# Altium PCB VESC_KS75600.PcbDoc (part 3 of 3)
Units mm, origin at the board's own origin, x right, y up, seen from the top; angles counter-clockwise.
Board outline 174 x 106 mm, 4 copper layers (TL, S1, S2, BL), stack 1.58 mm thick; 300 components, 160 nets, 892 pads, 642 vias.
Unrouted connection lines stored in the file: 213.
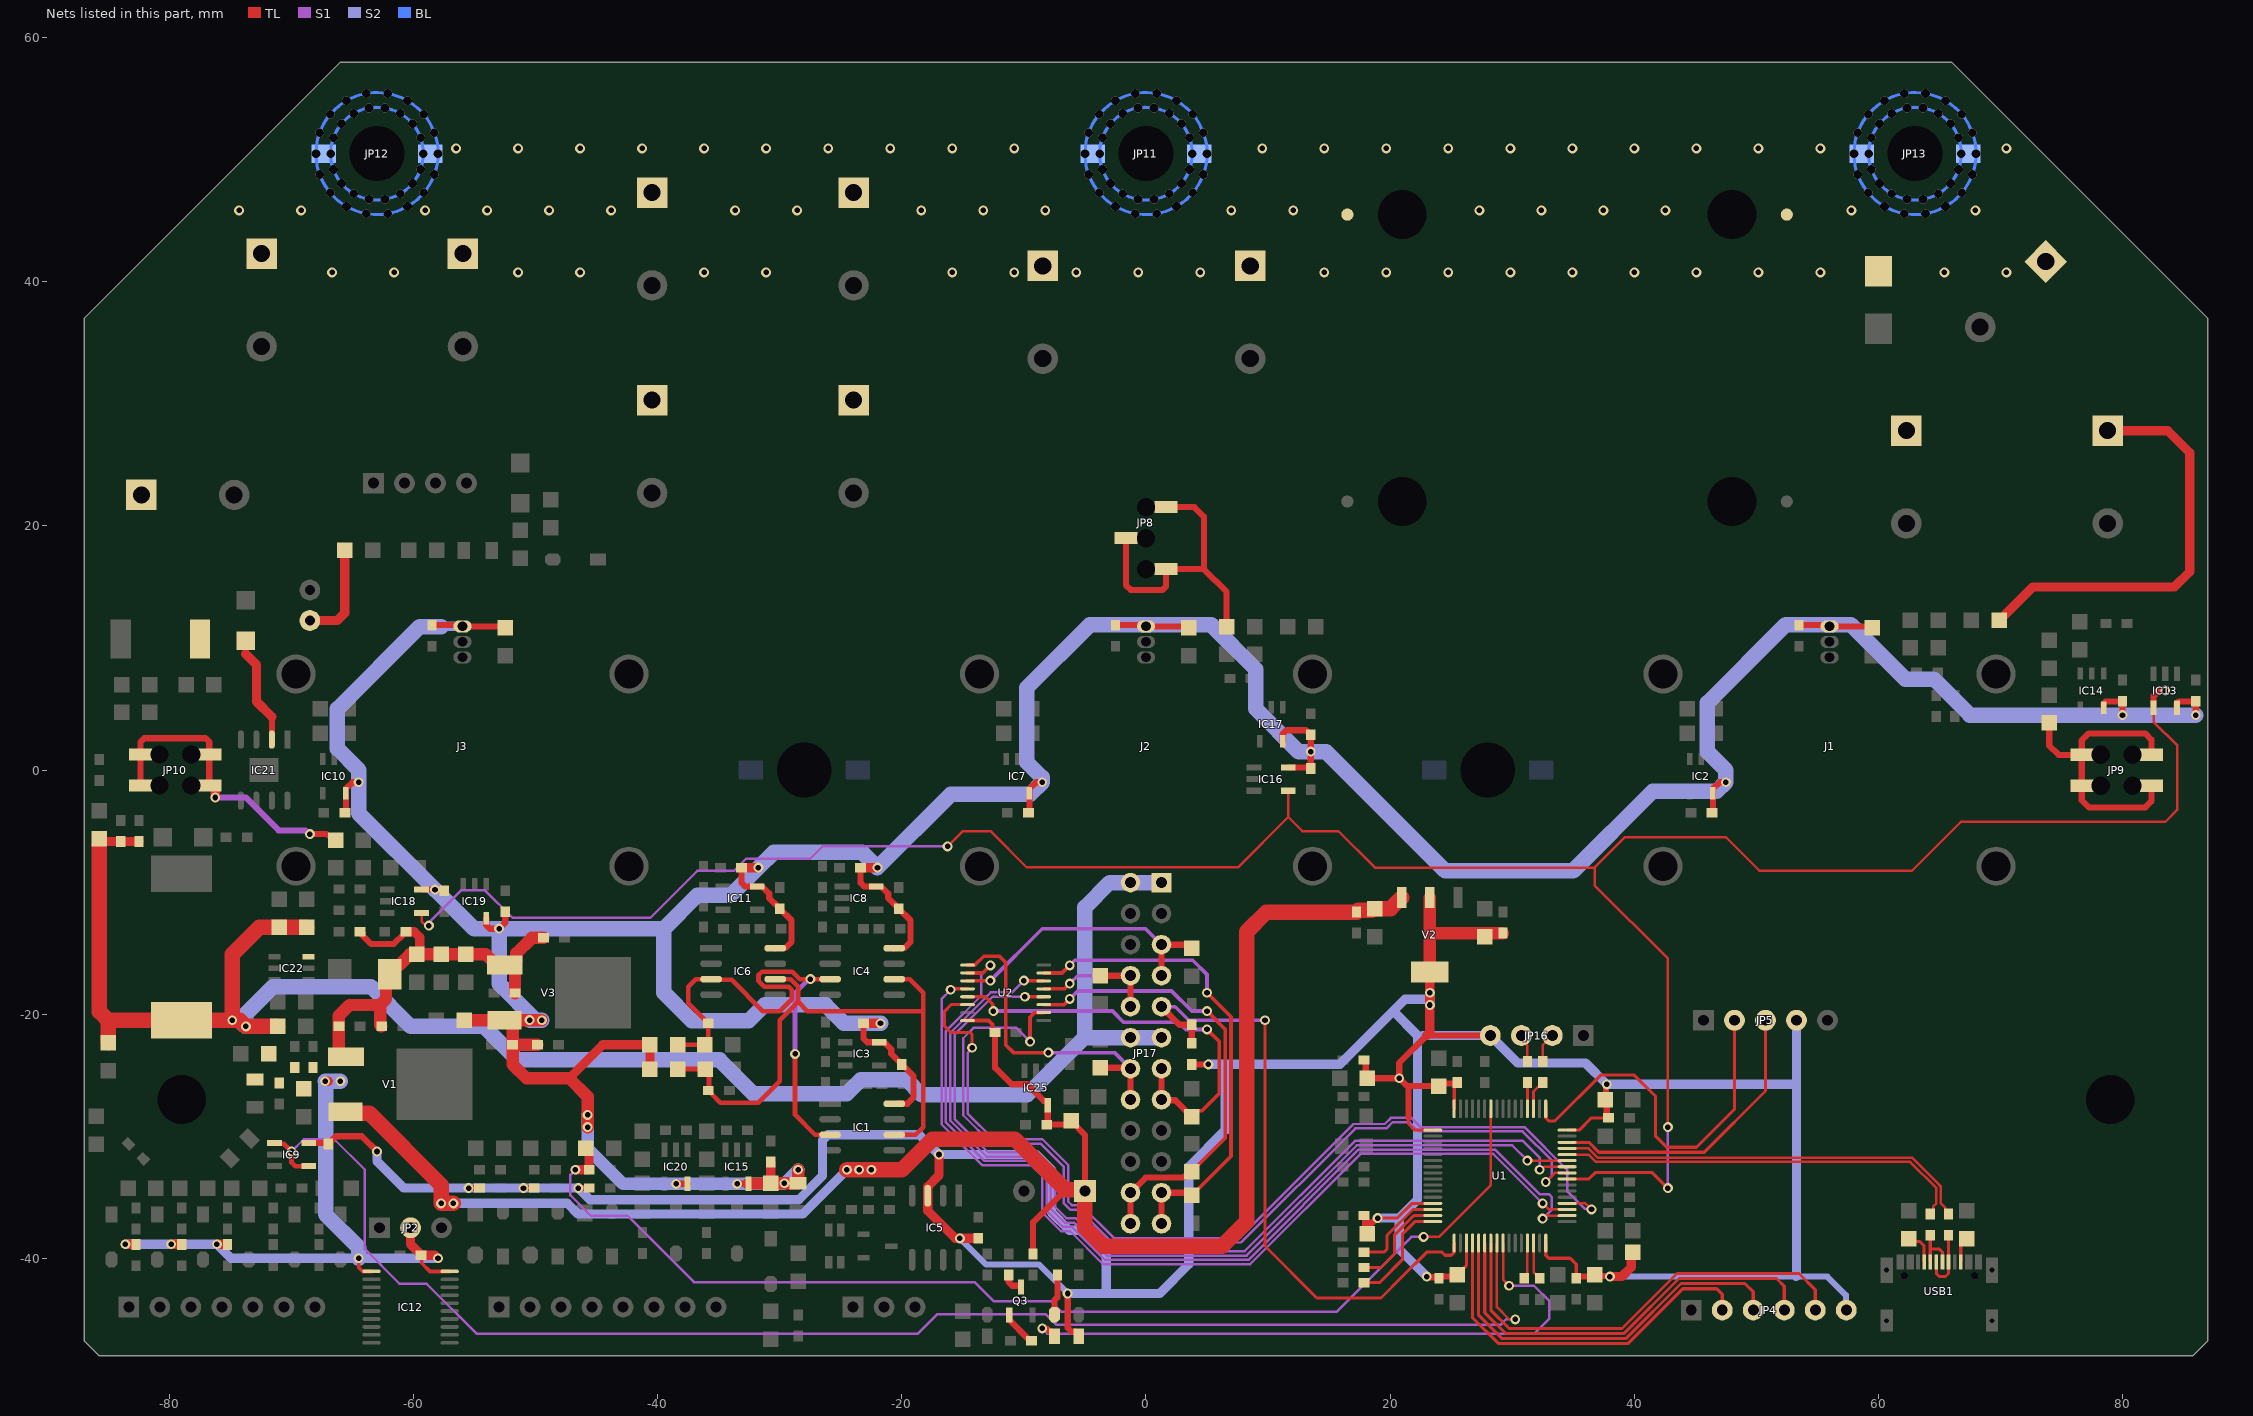
[diagram p5: the nets of this part, all layers, seen from the top]

## Via types
v1: diameter 0.813, hole 0.457, TL to BL, tented both sides, 462 vias
v2: diameter 0.711, hole 0.711, TL to BL, tented both sides, 180 vias

## Nets (pads, with @x,y where several pads share a name; then routed paths per layer and width w, separated by ;. In a path a pad name is that pad's centre, name@x,y a point inside that pad or via, vN(x,y) a via of type N, cw(c..) or ccw(c..) an arc to the next point about the centre after c; other vN are vias at no path point) (continued)
NetLED4_1: LED4.1 U1.25 | length 52.6
  TL w0.203: U1.25@29.25,-38.75 29.25,-41.75 v1(29.75,-42.25)
  TL w0.508: v1(-8.5,-45.75) -8.145,-45.75 -7.888,-46.008 -7.697,-46.008 -7.507,-46.198 LED4.1@-7.507,-46.389
  S1 w0.203: v1(-8.5,-45.75) -8.074,-46.176 31.824,-46.176 33.05,-44.95 33.05,-43.516 31.785,-42.25 v1(29.75,-42.25)
NetLED4_2: LED4.2 R99.2 | length 3.4
  TL w0.508: LED4.2@-7.507,-44.611 -7.507,-43.442 -7.25,-43.186 R99.2@-7.25,-41.364
NetQ3_1: Q3.1 R113.2 | length 2.9
  TL w0.508: Q3.1@-11.2,-44.643 -11.2,-45.05 -9.627,-46.623 -9.513,-46.623 R113.2@-9.386,-46.75
NetQ3_3: Q3.3 R112.1 | length 1.8
  TL w0.508: R112.1@-11.25,-41.364 -11.249,-41.953 -10.952,-42.251 -10.254,-42.251 -10.25,-42.255 Q3.3@-10.25,-42.357
NetR89_2: R89.2 USB1.A6 USB1.B6 | length 5.3
  TL w0.254: USB1.A6@64.75,-40.31 64.75,-41.25 65,-41.5 65.5,-41.5 65.75,-41.25 USB1.B6@65.75,-40.31 R89.2@65.75,-38.114
NetR90_2: R90.2 USB1.A7 USB1.B7 | length 4.1
  TL w0.254: USB1.B7@64.25,-40.31 64.25,-39.212 ; R90.2@64.25,-38.114 64.25,-39.212 ; USB1.A7@65.25,-40.31 65.25,-39.5 65,-39.25 64.288,-39.25 64.25,-39.212
NetR91_2: R91.2 USB1.A5 | length 2.8
  TL w0.254: R91.2@62.5,-38.393 62.724,-38.617 63.367,-38.617 63.75,-39 USB1.A5@63.75,-40.31
NetR92_2: R92.2 USB1.B5 | length 2.5
  TL w0.254: USB1.B5@66.75,-40.31 66.75,-38.893 R92.2@67.25,-38.393 ; R92.2@67,-38.364 R92.2@67.25,-38.114
NetR100_2: R100.2 U1.51 | length 2.5
  TL w0.254: U1.51@31.75,-27.751 31.75,-26.334 32.153,-25.931 32.246,-25.931 32.5,-25.677 R100.2@32.5,-25.614
NetR101_2: R101.2 U1.52 | length 2.1
  TL w0.254: U1.52@31.25,-27.751 R101.2@31.25,-25.614
NTC_DRV: C113.2 JP17.9 R104.2 U1.17 | length 51.8
  TL w0.254: v1(9.75,-20.5) 9.75,-39 14,-43.25 19.25,-43.25 21,-41.5 23,-39.5 24.25,-39.5 24.5,-39.75 25,-39.75 25.25,-39.5 U1.17@25.25,-38.75
  TL w0.508: JP17.9@1.27,-19.39 2.743,-20.864 C113.2@3.75,-20.864 R104.2@3.75,-22.386
  S1 w0.254: JP17.9@1.27,-19.39 2.39,-19.39 3.5,-20.5 v1(9.75,-20.5)
NTC_MOTOR_S: IC9.1 IC9.4 U1.24 | length 123.6
  TL w0.203: U1.24@28.75,-38.75 28.75,-44 29.75,-45 v1(30.25,-45)
  TL w0.381: IC9.1@-71.4,-30.55 -71.34,-30.609 -70.641,-30.609 v1(-70,-31.25) -70,-32.156 -69.706,-32.45 IC9.4@-68.6,-32.45
  S1 w0.203: v1(-70,-31.25) -69,-30.25 -66.5,-30.25 -64,-32.75 -64,-39.25 -61.16,-42.09 -58.932,-42.09 -54.846,-46.176 -18.688,-46.176 -17.089,-44.578 -8.236,-44.578 -7.348,-45.465 29.035,-45.465 29.5,-45 v1(30.25,-45)
OCP_H: C31.2 IC1.3 IC4.3 IC6.3 R14.1 R16.2 | length 43.8
  TL w0.381: R14.1@-38.357,-22.5 R16.2@-36.143,-22.5 -35.864,-22.221 C31.2@-35.864,-20.75 -35.927,-20.75 -36.118,-20.559 -36.118,-20.496 -37.5,-19.113 -37.5,-17.75 -36.885,-17.135 IC6.3@-35.625,-17.135 -35.593,-17.167 -34.848,-17.167 -34.825,-17.19 -33.943,-17.19 -31.384,-19.75 -30.004,-19.75 -29.033,-18.779 -29.033,-18 -29.28,-17.753 -31.274,-17.753 -31.75,-17.277 -31.75,-16.808 -31.459,-16.517 -28.979,-16.517 -28.361,-17.135 v1(-27.5,-17.135) IC4.3@-25.875,-17.135 ; v1(-28.75,-23.25) -28.75,-28.25 -27.115,-29.885 IC1.3@-25.875,-29.885
  S1 w0.381: v1(-28.75,-23.25) -28.75,-18.25 -27.851,-17.351 -27.833,-17.351 -27.617,-17.135 v1(-27.5,-17.135)
OCP_L: C40.2 IC1.6 IC4.6 IC6.6 R28.1 R29.2 | length 48.7
  TL w0.381: R28.1@-38.357,-24.5 R29.2@-36.118,-24.5 -35.8,-24.818 -35.8,-26.187 C40.2@-35.864,-26.25 -35.8,-26.25 -35.61,-26.44 -35.61,-26.504 -34.863,-27.25 -31.75,-27.25 -30,-25.5 -30,-20.5 -28.5,-19 ; IC6.6@-30.375,-17.135 -29.115,-17.135 -28.5,-17.75 -28.5,-19 ; IC1.6@-20.625,-29.885 -18.885,-29.885 -18.25,-29.25 -18.25,-19.75 ; IC4.6@-20.625,-17.135 -19.365,-17.135 -18.25,-18.25 -18.25,-19.75 ; -28.5,-19 -27.75,-19.75 -18.25,-19.75
P_UART_RX_S: JP16.3 R101.1 | length 2.3
  TL w0.203: JP16.3@30.75,-21.75 30.75,-22.117 31.25,-22.617 R101.1@31.25,-23.886
P_UART_TX_S: JP16.2 R100.1 | length 2.5
  TL w0.203: R100.1@32.5,-23.886 32.5,-22.54 JP16.2@33.29,-21.75
PHA_FILTER_SEL: IC13.4 IC16.4 IC18.4 U1.40 | length 209.9
  TL w0.203: IC18.4@-59.35,-11.7 -59.35,-12.4 -59,-12.75 v1(-58.75,-12.75) ; v1(-16.25,-6.25) -15,-5 -12.75,-5 -9.772,-7.978 7.522,-7.978 11.65,-3.85 ; IC16.4@11.65,-1.7 11.65,-3.85 ; v1(42.75,-29.25) 42.75,-15.456 36.75,-9.456 36.75,-8 ; IC13.4@82.55,5.1 82.55,3.95 84.5,2 84.5,-3.25 83.5,-4.25 66.75,-4.25 62.75,-8.25 50.25,-8.25 47.5,-5.5 39.25,-5.5 36.75,-8 ; 11.65,-3.85 12.8,-5 15.75,-5 18.75,-8 36.75,-8
  TL w0.254: U1.40@34.5,-33.5 36.283,-33.5 36.8,-32.984 41.484,-32.984 v1(42.75,-34.25)
  TL w0.508: IC13.4@82.55,5.1 82.55,6.05 83,6.5 v1(83.5,6.5)
  S1 w0.203: v1(-58.75,-12.75) -58.633,-12.633 -58.633,-12.383 -56.106,-9.856 -54.147,-9.856 -51.897,-12.106 -40.606,-12.106 -36.75,-8.25 -33.75,-8.25 -32.75,-7.25 -27.5,-7.25 -26.5,-6.25 v1(-16.25,-6.25) ; v1(42.75,-34.25) v1(42.75,-29.25)
PHASE_U: JP9.1 JP9.2 JP9.3 JP9.4 R34.2 | length 24.6
  TL w0.508: R34.2@74,3.857 74,2 74.76,1.24 JP9.2@76.67,1.24 ; JP9.3@82.37,-1.3 82.37,-2.556 81.866,-3.06 77.25,-3.06 76.67,-2.48 JP9.4@76.67,-1.3 JP9.2@76.67,1.24 ; JP9.1@82.37,1.24 82.37,2.496 81.866,3 77.25,3 76.67,2.42 JP9.2@76.67,1.24
PHASE_V: JP8.2 JP8.3 JP8.4 pad.16 R49.2 | length 25.1
  TL w0.508: JP8.3@-1.65,19 -1.65,15.15 -1.25,14.75 1.352,14.75 1.65,15.048 JP8.4@1.65,16.46 4.75,16.46 ; JP8.2@1.65,21.54 3.96,21.54 4.75,20.75 4.75,16.46 ; R49.2@6.607,11.75 6.607,14.603 4.75,16.46
PHASE_W: JP10.1 JP10.2 JP10.3 JP10.4 R57.2 | length 25.6
  TL w0.508: JP10.4@-82.37,-1.27 JP10.2@-82.37,1.27 -82.37,2.302 -82.073,2.6 -77.048,2.6 -76.75,2.302 -76.75,-1.19 JP10.3@-76.67,-1.27 ; v1(-68.5,-5.25) -67.155,-5.25 -66.802,-5.482 -66.774,-5.482 R57.2@-66.393,-5.75
  TL w0.762: JP10.3@-76.67,-1.27 -76.379,-1.27 -76.25,-1.399 v1(-76.25,-2.25)
  S1 w0.508: v1(-76.25,-2.25) -73.75,-2.25 -71.053,-4.947 -68.885,-4.947 -68.582,-5.25 v1(-68.5,-5.25)
PWM_HU: JP17.22 JP17.24 R110.1 U2.3 | length 37.7
  TL w0.305: U2.3@-8.375,-19.225 -6.725,-19.225 v1(-6.25,-18.75) ; R110.1@3.75,-32.893 6.5,-30.143 6.5,-21.25 v1(5,-19.75)
  TL w0.508: JP17.24@-1.27,-37.17 JP17.22@-1.27,-34.63 -0.029,-33.389 3.071,-33.389 3.186,-33.274 3.369,-33.274 R110.1@3.75,-32.893
  S1 w0.305: v1(-6.25,-18.75) -5.598,-18.098 2.098,-18.098 3.75,-19.75 v1(5,-19.75)
PWM_HV: JP17.8 JP17.10 R109.1 U2.5 | length 12.6
  TL w0.305: U2.5@-8.375,-17.925 -6.683,-17.925 -6.258,-17.5 v1(-6.25,-17.5)
  TL w0.508: R109.1@-3.75,-16.857 -1.277,-16.857 JP17.8@-1.27,-16.85 JP17.10@-1.27,-19.39
  S1 w0.305: v1(-6.25,-17.5) -5.6,-16.85 JP17.8@-1.27,-16.85
PWM_HW: JP17.21 JP17.23 R108.1 U2.7 | length 39.6
  TL w0.305: U2.7@-8.375,-16.625 -6.875,-16.625 v1(-6.25,-16) ; R108.1@3.75,-34.857 6.957,-31.65 6.957,-20.207 v1(5,-18.25)
  TL w0.508: JP17.23@1.27,-37.17 JP17.21@1.27,-34.63 R108.1@3.835,-34.63
  S1 w0.305: v1(-6.25,-16) -5.83,-15.58 3.83,-15.58 5,-16.75 v1(5,-18.25)
PWM_LU: JP17.14 JP17.16 R107.1 U2.9 | length 26.5
  TL w0.305: U2.9@-14.625,-15.975 -14.025,-15.975 -13.3,-15.25 -12,-15.25 -11.5,-15.75 -11.5,-22.506 -10.854,-23.152 v1(-8,-23.152)
  TL w0.508: R107.1@-3.75,-24.393 -1.347,-24.393 JP17.14@-1.27,-24.47 JP17.16@-1.27,-27.01
  S1 w0.305: v1(-8,-23.152) -2.589,-23.152 JP17.14@-1.27,-24.47
PWM_LV: JP17.5 JP17.7 R106.1 U2.11 | length 23.4
  TL w0.305: U2.11@-14.625,-17.275 -12.775,-17.275 v1(-12.75,-17.25)
  TL w0.508: JP17.7@1.27,-16.85 JP17.5@1.27,-14.31 3.453,-14.31 R106.1@3.75,-14.607
  S1 w0.305: v1(-12.75,-17.25) -8.5,-13 -0.04,-13 JP17.5@1.27,-14.31
PWM_LW: JP17.13 JP17.15 R105.1 U2.13 | length 35.6
  TL w0.305: U2.13@-14.625,-18.575 -13.175,-18.575 -12.556,-19.194 -12.556,-19.694 v1(-12.5,-19.75) ; R105.1@3.75,-28.393 4.225,-27.918 4.582,-27.918 6,-26.5 6,-22.25 v1(5,-21.25)
  TL w0.508: JP17.13@1.565,-24.47 JP17.13@1.27,-24.47 JP17.15@1.27,-27.01 1.318,-27.058 2.415,-27.058 R105.1@3.75,-28.393
  S1 w0.305: v1(-12.5,-19.75) -2.75,-19.75 -1.841,-20.659 2.659,-20.659 3.25,-21.25 v1(5,-21.25)
S_HU: U1.41 U2.2 | length 79.9
  TL w0.203: v1(32.75,-33.75) 33.5,-33 U1.41@34.5,-33
  TL w0.305: v1(-9.5,-22.25) -9.5,-20.25 -9.125,-19.875 U2.2@-8.375,-19.875
  S1 w0.203: v1(-9.5,-22.25) -10.644,-21.106 -14.1,-21.106 -14.972,-21.978 -14.972,-28.281 -12.647,-30.606 -8.63,-30.606 -6.93,-32.305 ; v1(32.75,-33.75) 33.25,-33.25 33.25,-32.003 30.853,-29.606 22.345,-29.606 21.595,-28.856 20.21,-28.856 19.71,-29.356 17.147,-29.356 7.794,-38.708 -2.771,-38.708 -5.469,-36.011 -6.225,-36.011 -6.722,-35.514 -6.722,-32.514 ; -6.93,-32.305 -6.722,-32.514 ; -6.93,-32.305 -6.722,-32.514
S_HV: U1.42 U2.4 | length 77.3
  TL w0.203: v1(32.25,-32.75) 32.415,-32.75 32.665,-32.5 U1.42@34.5,-32.5
  TL w0.305: v1(-9.925,-18.575) U2.4@-8.375,-18.575
  S1 w0.203: v1(-9.925,-18.575) -12.575,-18.575 -15.683,-21.683 -15.683,-28.575 -12.942,-31.317 -8.925,-31.317 -7.433,-32.808 -7.433,-35.808 -6.519,-36.722 -5.764,-36.722 -3.066,-39.42 8.089,-39.42 17.124,-30.385 30.885,-30.385 32.25,-31.75 v1(32.25,-32.75)
S_HW: U1.43 U2.6 | length 77.8
  TL w0.203: v1(31.25,-32) U1.43@34.499,-32
  TL w0.305: v1(-10,-17.25) -9.975,-17.275 U2.6@-8.375,-17.275
  S1 w0.203: v1(-10,-17.25) -10.969,-18.219 -12.722,-18.219 -16.039,-21.536 -16.039,-28.723 -13.089,-31.672 -9.072,-31.672 -7.789,-32.955 -7.789,-35.955 -6.667,-37.078 -5.911,-37.078 -3.213,-39.775 8.236,-39.775 17.271,-30.74 29.99,-30.74 v1(31.25,-32)
S_LU: U1.34 U2.10 | length 82.1
  TL w0.203: v1(32.5,-36.75) 32.75,-36.5 U1.34@34.5,-36.5
  TL w0.305: U2.10@-14.625,-16.625 -13.375,-16.625 v1(-12.75,-16)
  S1 w0.203: v1(-12.75,-16) -13.5,-16.75 -13.5,-18.494 -16.394,-21.389 -16.394,-28.87 -13.236,-32.028 -9.219,-32.028 -8.144,-33.103 -8.144,-36.103 -6.814,-37.433 -6.058,-37.433 -3.361,-40.131 8.384,-40.131 17.418,-31.096 28.599,-31.096 32.253,-34.75 33,-34.75 33.25,-35 33.25,-36 v1(32.5,-36.75)
S_LV: U1.35 U2.12 | length 76.1
  TL w0.203: v1(32.5,-35.5) 33,-36 U1.35@34.5,-36
  TL w0.305: v1(-16,-18) -15.925,-17.925 U2.12@-14.625,-17.925
  S1 w0.203: v1(-16,-18) -16.75,-18.75 -16.75,-29.017 -13.384,-32.384 -9.366,-32.384 -8.5,-33.25 -8.5,-36.25 -6.961,-37.789 -6.205,-37.789 -3.508,-40.486 8.531,-40.486 17.566,-31.452 28.452,-31.452 v1(32.5,-35.5)
S_LW: U1.36 U2.14 | length 80
  TL w0.203: U1.36@34.5,-35.5 36,-35.5 v1(36.5,-36)
  TL w0.254: U2.14@-14.625,-19.225 -15.975,-19.225 -16.5,-19.75 -16.5,-21 -16,-21.5 -14.399,-21.5 -14.25,-21.649 v1(-14.25,-22.75)
  S1 w0.203: v1(-14.25,-22.75) -14.25,-22.807 -14.616,-23.174 -14.616,-28.134 -12.5,-30.25 -8.483,-30.25 -6.366,-32.366 -6.366,-35.366 -6.077,-35.655 -5.322,-35.655 -2.624,-38.353 7.647,-38.353 17,-29 19.562,-29 20.062,-28.5 21.742,-28.5 22.492,-29.25 31,-29.25 34.5,-32.75 34.5,-34.5 35.95,-35.951 36.451,-35.951 v1(36.5,-36)
SERVO_S: C37.2 R26.1 U1.58 | length 95.2
  TL w0.203: v1(22.75,-38.25) 24,-38.25 28.25,-34 U1.58@28.25,-27.751
  TL w0.762: v1(-46.75,-32.75) -45.639,-32.75 -45.639,-31.7 -45.639,-31.254 C37.2@-45.893,-31
  S1 w0.203: v1(-46.75,-32.75) -46.75,-32.763 -47.16,-33.174 -47.16,-34.84 -45.5,-36.5 -42.494,-36.5 -37.044,-41.95 -14.044,-41.95 -12.483,-43.511 -7.794,-43.511 -6.906,-44.398 15.602,-44.398 21.75,-38.25 v1(22.75,-38.25)
SPI_MISO: JP4.4 U1.22 | length 35
  TL w0.254: U1.22@27.75,-38.75 27.75,-44.457 29.449,-46.156 39.168,-46.156 43.668,-41.656 51.656,-41.656 52.29,-42.29 JP4.4@52.29,-44.25
SPI_MOSI: JP4.5 U1.23 | length 36.8
  TL w0.254: U1.23@28.25,-38.75 28.25,-44.25 29.75,-45.75 39,-45.75 43.5,-41.25 53.5,-41.25 54.83,-42.58 JP4.5@54.83,-44.25
SPI_NSS: JP4.2 U1.20 | length 30.8
  TL w0.254: U1.20@26.75,-38.75 26.75,-44.871 28.848,-46.969 39.505,-46.969 43.974,-42.5 46.75,-42.5 47.21,-42.96 JP4.2@47.21,-44.25
SPI_SCK: JP4.3 U1.21 | length 32.8
  TL w0.254: U1.21@27.25,-38.75 27.25,-44.664 29.149,-46.563 39.337,-46.563 43.837,-42.063 49.063,-42.063 49.75,-42.75 JP4.3@49.75,-44.25
SWCLK: JP5.2 U1.49 | length 30.8
  TL w0.254: U1.49@32.75,-27.751 32.75,-28.5 33,-28.75 33.5,-28.75 37.25,-25 40,-25 41.75,-26.75 41.75,-30 42.654,-30.904 45.096,-30.904 48.21,-27.79 JP5.2@48.21,-20.5
SWDIO: JP5.3 U1.46 | length 24.5
  TL w0.254: U1.46@34.5,-30.5 36.292,-30.5 37.102,-31.311 45.731,-31.311 50.75,-26.292 JP5.3@50.75,-20.5
UART3_RX: R95.1 U1.30 | length 3.1
  TL w0.203: U1.30@31.75,-38.75 31.75,-41.136 31.907,-41.293 31.971,-41.293 32.25,-41.573 R95.1@32.25,-41.636
UART3_TX: R93.1 U1.29 | length 3
  TL w0.203: R93.1@31,-41.636 31.25,-41.386 U1.29@31.25,-38.75
USB_DM: R90.1 U1.44 | length 33.7
  TL w0.203: U1.44@34.5,-31.5 36.25,-31.5 36.75,-32 36.854,-32.104 62.601,-32.104 64.749,-34.251 64.749,-34.999 64.75,-35 64.75,-35.5 64.482,-35.768 64.482,-36.154 R90.1@64.25,-36.386
USB_DP: R89.1 U1.45 | length 34.4
  TL w0.203: U1.45@34.5,-31 36.253,-31 37.001,-31.749 62.749,-31.749 65,-34 65.104,-34.104 65.104,-34.851 65.106,-34.853 65.106,-35.479 65.471,-35.844 65.471,-36.107 R89.1@65.75,-36.386
VCC7: C70.1 C71.1 C72.1 C73.1 C74.1 C75.1 C83.1 C84.1 L3.2 R68.2 V1.1 V3.1 | length 37.4
  TL w0.508: C70.1@-64.237,-13.374 -64.361,-13.25 -64.297,-13.25 -64.17,-13.377 -64.17,-13.58 -63.5,-14.25 -61.636,-14.25 -60.827,-13.44 -60.827,-13.377 -60.7,-13.25 R68.2@-60.636,-13.25
  TL w0.762: R68.2@-60.636,-13.25 -59.946,-13.25 -59.5,-13.696 -59.5,-14.857 C71.1@-59.75,-15.107
  TL w1.016: V1.1@-65.542,-23.475 -65.885,-23.475 -66.139,-23.221 -66.139,-20.139 -65.25,-19.25 -62.75,-19.25 ; C74.1@-62.639,-21 -62.75,-20.889 -62.75,-19.25 ; C84.1@-51.691,-18.275 -51.691,-16.229 V3.1@-51.945,-15.975 ; C83.1@-49.364,-13.75 -50.317,-13.75 -51.59,-15.023 -51.59,-15.721 -51.844,-15.975 V3.1@-51.945,-15.975 ; -62.75,-19.25 -62.262,-18.762 -62.262,-17.062 L3.2@-61.95,-16.75 -61.95,-16.45 -61.508,-16.008 -61.208,-16.008 -60.307,-15.107 C71.1@-59.75,-15.107 C72.1@-57.75,-15.107 C73.1@-55.75,-15.107 -54.09,-15.107 -53.495,-15.702 -53.495,-15.721 -53.241,-15.975 V3.1@-52.542,-15.975 V3.1@-51.945,-15.975
VCC12: C62.1 C63.1 C64.1 C65.1 C66.1 C67.1 IC22.3 JP17.1 JP17.2 JP17.11 JP17.12 L2.2 R66.2 | length 149
  TL w0.762: C65.1@-85.75,-5.643 -85.529,-5.864 R66.2@-84,-5.864 C62.1@-82.5,-5.864
  TL w1.27: C65.1@-85.75,-6.084 -85.75,-19.788 -85,-20.538 C64.1@-85,-22.357 ; -85,-20.5 v1(-74.857,-20.5) ; C63.1@-71.143,-21 v1(-73.75,-21) -74.25,-20.5 v1(-74.857,-20.5) ; C67.1@-68.75,-12.893 C66.1@-71,-12.893 -72.643,-12.893 -74.857,-15.107 v1(-74.857,-20.5)
  S2 w1.27: v1(-74.857,-20.5) -74.25,-20.5 v1(-73.75,-21) -73.75,-20 -71.5,-17.75 -63.5,-17.75 -60.25,-21 -54.25,-21 -51.5,-23.75 -34.938,-23.75 -32.185,-26.504 -24.504,-26.504 -23.356,-25.356 -19.631,-25.356 -18.378,-26.609 -9.748,-26.609 -5,-21.86 ; JP17.11@1.27,-21.93 JP17.12@-1.27,-21.93 -4.93,-21.93 -5,-21.86 ; JP17.1@1.27,-9.23 JP17.2@-1.27,-9.23 -2.98,-9.23 -5,-11.25 -5,-21.86
VCC120: C69.2 DR13.2 E1.1 E2.1 E3.1 E4.1 E5.1 E6.1 E7.1 E8.1 E9.1 E10.1 E11.1 E12.1 E13.1 IC21.2 JP11.1 JP12.1 JP13.1 JP18.1 R2.1 R30.2 R81.1 | length 50.4
  TL w0.508: IC21.2@-71.615,2.5 -71.615,4.365
  TL w0.762: -73.75,9.5 -72.865,8.615 -72.865,5.615 -71.615,4.365 ; E13.1@-68.5,12.25 -66.25,12.25 -65.643,12.857 R2.1@-65.643,18 ; R30.2@69.893,12.25 72.643,15 84.25,15 85.5,16.25 85.5,26 83.7,27.8 E12.1@79.038,27.8
  other v1: -66.675,40.767 -61.595,40.767 -51.435,40.767 -46.355,40.767 -36.195,40.767 -31.115,40.767 -15.875,40.767 -10.795,40.767 -5.715,40.767 -0.635,40.767 4.445,40.767 14.605,40.767 19.685,40.767 24.765,40.767 29.845,40.767 34.925,40.767 40.005,40.767 45.085,40.767 50.165,40.767 55.245,40.767 65.405,40.767 70.485,40.767 -74.295,45.847 -69.215,45.847 -59.055,45.847 -53.975,45.847 -48.895,45.847 -43.815,45.847 -33.655,45.847 -28.575,45.847 -18.415,45.847 -13.335,45.847 -8.255,45.847 6.985,45.847 12.065,45.847 27.305,45.847 32.385,45.847 37.465,45.847 42.545,45.847 57.785,45.847 67.945,45.847 -56.515,50.927 -51.435,50.927 -46.355,50.927 -41.275,50.927 -36.195,50.927 -31.115,50.927 -26.035,50.927 -20.955,50.927 -15.875,50.927 -10.795,50.927 9.525,50.927 14.605,50.927 19.685,50.927 24.765,50.927 29.845,50.927 34.925,50.927 40.005,50.927 45.085,50.927 50.165,50.927 55.245,50.927 70.485,50.927
  other v2: -63.868,45.576 -62.132,45.576 -0.868,45.576 0.868,45.576 62.132,45.576 63.868,45.576 -65.5,46.17 -60.5,46.17 -2.5,46.17 2.5,46.17 60.5,46.17 65.5,46.17 -63.66,46.758 -62.34,46.758 -0.66,46.758 0.66,46.758 62.34,46.758 63.66,46.758 -64.9,47.209 -61.1,47.209 -1.9,47.209 1.9,47.209 61.1,47.209 64.9,47.209 -66.83,47.286 -59.17,47.286 -3.83,47.286 3.83,47.286 59.17,47.286 66.83,47.286 -65.911,48.057 -60.089,48.057 -2.911,48.057 2.911,48.057 60.089,48.057 65.911,48.057 -67.699,48.79 -58.302,48.79 -4.699,48.79 4.698,48.79 58.301,48.79 67.698,48.79 -66.571,49.2 -59.429,49.2 -3.571,49.2 3.571,49.2 59.429,49.2 66.571,49.2 -68,50.5 -66.8,50.5 -59.2,50.5 -58,50.5 -5,50.5 -3.8,50.5 3.8,50.5 5,50.5 58,50.5 59.2,50.5 66.8,50.5 68,50.5 -66.571,51.799 -59.429,51.799 -3.571,51.799 3.571,51.799 59.429,51.799 66.571,51.799 -67.699,52.21 -58.302,52.21 -4.699,52.21 4.698,52.21 58.301,52.21 67.698,52.21 -65.911,52.942 -60.089,52.942 -2.911,52.942 2.911,52.942 60.089,52.942 65.911,52.942 -66.83,53.714 -59.17,53.714 -3.83,53.714 3.83,53.714 59.17,53.714 66.83,53.714 -64.9,53.791 -61.1,53.791 -1.9,53.791 1.9,53.791 61.1,53.791 64.9,53.791 -63.66,54.242 -62.34,54.242 -0.66,54.242 0.66,54.242 62.34,54.242 63.66,54.242 -65.5,54.83 -60.5,54.83 -2.5,54.83 2.5,54.83 60.5,54.83 65.5,54.83 -63.868,55.424 -62.132,55.424 -0.868,55.424 0.868,55.424 62.132,55.424 63.868,55.424
VCCANA5: C3.1 C4.1 C9.1 C10.1 C11.2 C12.1 C14.1 C16.1 C20.1 C21.1 C23.2 C24.1 C27.1 C28.1 C29.2 C30.1 C36.1 C41.1 C46.1 C50.1 C54.1 C55.1 C58.1 C85.2 C86.1 C87.1 F1.1 IC1.8 IC2.5 IC3.5 IC4.8 IC6.8 IC7.5 IC8.5 IC10.5 IC11.5 IC13.5 IC14.5 IC15.5 IC16.5 IC17.5 IC18.5 IC19.5 IC20.5 J1.1 J2.1 J3.1 R14.2 R28.2 V3.3 | length 401.4
  TL w0.508: C30.1@-65.611,-3.5 -65.55,-3.439 -65.55,-1.55 -65,-1 v1(-64.5,-1) ; IC18.5@-59.35,-9.8 v1(-58.25,-9.8) -57.561,-9.8 C58.1@-57.5,-9.861 ; C28.1@-58.5,11.889 -56.503,11.889 -56.383,11.77 J3.1@-56,11.77 -52.627,11.77 C29.2@-52.5,11.643 ; IC19.5@-54.05,-12.15 -54.05,-12.7 -53.75,-13 v1(-53,-13) -52.5,-12.5 C55.1@-52.5,-11.639 ; v1(-38.497,-33.9) IC20.5@-37.55,-33.9 ; v1(-33.497,-33.9) IC15.5@-32.55,-33.9 ; C36.1@-33.136,-8 -33.136,-9.252 -32.838,-9.55 IC11.5@-31.85,-9.55 -31.45,-9.55 -30.872,-10.128 -30.872,-10.492 C20.1@-30.19,-11.174 ; IC6.8@-30.375,-14.595 -30.367,-14.587 -29.548,-14.587 -29.036,-14.075 -29.036,-12.328 C20.1@-30,-11.364 ; C27.1@-23.386,-8 -23.386,-9.252 -23.088,-9.55 IC8.5@-22.1,-9.55 -21.7,-9.55 -21.122,-10.128 -21.122,-10.492 C14.1@-20.44,-11.174 ; C16.1@-23.136,-20.75 -23.136,-22.002 -22.838,-22.3 -21.45,-22.3 -20.871,-22.878 -20.871,-23.242 C9.1@-20.19,-23.923 ; IC4.8@-20.625,-14.595 -20.617,-14.587 -19.798,-14.587 -19.286,-14.075 -19.286,-12.328 C14.1@-20.25,-11.364 ; IC1.8@-20.375,-27.345 -20.367,-27.337 -19.547,-27.337 -19.035,-26.825 -19.035,-25.078 C9.1@-20,-24.114 ; C21.1@-9.611,-3.5 -9.55,-3.439 -9.55,-1.55 -9,-1 v1(-8.5,-1) ; C24.1@-2.5,11.889 -0.503,11.889 -0.383,11.77 J2.1@0,11.77 3.373,11.77 C23.2@3.5,11.643 ; IC17.5@11.2,2.35 11.2,2.95 11.5,3.25 13.111,3.25 13.31,3.051 13.373,3.051 13.5,2.924 v1(13.5,1.5) 13.5,0.139 13.439,0.2 IC16.5@11.65,0.2 ; C12.1@46.389,-3.5 46.45,-3.439 IC2.5@46.45,-1.9 46.45,-1.55 47,-1 v1(47.5,-1) ; C10.1@53.5,11.889 55.497,11.889 55.617,11.77 J1.1@56,11.77 59.373,11.77 C11.2@59.5,11.643 ; IC14.5@78.45,5.1 78.45,5.45 78.611,5.611 80,5.611 v1(80,4.5) ; IC13.5@84.45,5.1 84.45,5.45 84.611,5.611 86,5.611 v1(86,4.5) ; C20.1@-30.19,-11.174 C20.1@-30,-11.364 ; C20.1@-30.19,-11.174 -30.127,-11.174 -30,-11.301 C20.1@-30,-11.364 ; C14.1@-20.44,-11.174 -20.377,-11.174 -20.25,-11.301 C14.1@-20.25,-11.364 ; C14.1@-20.44,-11.174 C14.1@-20.25,-11.364 ; C9.1@-20.19,-23.923 -20.127,-23.923 -20,-24.05 C9.1@-20,-24.114 ; C9.1@-20.19,-23.923 C9.1@-20,-24.114
  TL w0.762: -47.25,-25.25 -44.5,-22.5 R14.2@-40.643,-22.5 R28.2@-40.643,-24.5 ; C36.1@-33.136,-8 v1(-31.75,-8) ; C3.1@-30.75,-33.857 C4.1@-30.75,-32.114 ; C27.1@-23.386,-8 v1(-22,-8) ; C16.1@-23.136,-20.75 v1(-21.75,-20.75)
  TL w1.016: C85.2@-55.857,-20.5 -52.571,-20.5 V3.3@-52.568,-20.497 V3.3@-52.14,-20.497 ; C86.1@-49.864,-22.5 C87.1@-51.886,-22.5 ; v1(-49.5,-20.5) -49.503,-20.497 v1(-50.503,-20.497) V3.3@-52.14,-20.497 ; v1(-45.75,-29.25) v1(-45.75,-28.25) -45.75,-26.75 -47.25,-25.25 -50.75,-25.25 -51.886,-24.114 C87.1@-51.886,-22.5 ; IC15.5@-32.55,-33.9 -32.528,-33.878 -30.771,-33.878 C3.1@-30.75,-33.857 v1(-29.625,-33.857) F1.1@-28.5,-33.857 v1(-28.5,-32.75) ; V3.3@-52.14,-20.497 -51.886,-20.751 C87.1@-51.886,-22.5
  S2 w0.762: -57.75,11.75 -57.73,11.77 J3.1@-56,11.77
  S2 w1.016: v1(-45.75,-28.25) v1(-45.75,-29.25) -45.75,-31 -42.85,-33.9 v1(-38.497,-33.9) v1(-33.497,-33.9) v1@-29.668,-33.9 ; v1@-29.542,-33.792 v1(-28.5,-32.75)
  S2 w1.27: -57.75,11.75 -59.5,11.75 -66.25,5 -66.25,1.75 -64.5,0 v1(-64.5,-1) -64.5,-3.55 v1(-58.25,-9.8) -55.05,-13 v1(-53,-13) ; v1(-50.503,-20.497) -50.003,-20.497 ; v1(-49.5,-20.5) -50,-20.5 -50.003,-20.497 ; v1(-21.75,-20.75) -24.75,-20.75 -26.25,-19.25 -31.25,-19.25 -32.528,-20.528 -37.222,-20.528 -39.5,-18.25 -39.5,-13 ; v1(86,4.5) v1(80,4.5) 67.5,4.5 64.556,7.444 62.203,7.444 57.735,11.913 56,11.913 52.413,11.913 46,5.5 46,1.5 47.5,0 v1(47.5,-1) 46.75,-1.75 41.5,-1.75 35,-8.25 24.5,-8.25 14.75,1.5 v1(13.5,1.5) 12.5,1.5 9,5 9,8.25 5.347,11.903 -4.597,11.903 -9.75,6.75 -9.75,0.629 -8.51,-0.612 -8.51,-0.99 v1(-8.5,-1) -9.5,-2 -16,-2 v1(-22,-8) -23.25,-6.75 -30.5,-6.75 v1(-31.75,-8) -34,-10.25 -36.75,-10.25 -39.5,-13 ; v1(-53,-13) -39.5,-13 ; v1(-53,-13) -53,-17.5 -50.003,-20.497
VCCDIG5: B2.1 C7.1 C8.1 C42.1 C76.2 C77.1 C78.1 C79.1 C80.1 C110.1 C112.2 F2.1 IC12.1 IC12.20 IC25.5 JP2.2 R31.2 R32.2 R33.2 R102.1 R111.1 U2.16 V1.3 V2.3 | length 210.1
  TL w0.305: v1(-64.5,-40) -64.5,-40.75 -64.175,-41.075 IC12.1@-63.45,-41.075 ; C42.1@-59.334,-39.777 -59.334,-40.41 -58.668,-41.075 IC12.20@-57.05,-41.075 ; U2.16@-14.625,-20.525 -12.908,-20.525 -12.58,-20.853 -12.58,-21.284 C110.1@-12.364,-21.5
  TL w0.508: C110.1@-12.364,-21.5 -12.364,-24.386 -11,-25.75 -9.75,-25.75 -8.396,-27.104 -8.054,-27.104 -8.05,-27.108 IC25.5@-8.05,-27.45 -8.05,-28.964 C112.2@-8.136,-29.05 -6.443,-29.05 R102.1@-6.143,-28.75 -5,-29.893 B2.1@-5,-34.5 ; R111.1@-9.25,-39.636 -9.25,-37.041 -6.709,-34.5
  TL w0.762: v1(-83.614,-38.853) -83.604,-38.863 -82.75,-38.863 R31.2@-82.75,-38.886 ; v1(-79.864,-38.853) -79.854,-38.863 -79,-38.863 R32.2@-79,-38.886 ; v1(-76.114,-38.853) -76.104,-38.863 -75.25,-38.863 R33.2@-75.25,-38.886 ; v1(-67.25,-25.5) v1@-67,-25.5 ; JP2.2@-60.25,-37.5 -60.25,-38.861 C42.1@-59.361,-39.75 ; C42.1@-59.334,-39.777 C42.1@-59.361,-39.75 ; v1(-58,-40) -58.014,-40 -58.264,-39.75 C42.1@-59.361,-39.75 ; B2.1@-5.113,-34.387 B2.1@-5,-34.5
  TL w1.27: V1.3@-65.568,-27.997 -65.441,-28.124 -63.626,-28.124 -57.75,-34 v1(-57.75,-35.5) v1(-56.75,-35.5) ; v1(-24.5,-32.75) v1(-23.5,-32.75) -20,-32.75 -17.5,-30.25 -10.734,-30.25 -6.597,-34.387 B2.1@-5.113,-34.387 ; B2.1@-5,-34.5 -5,-37.5 -3.5,-39 6.25,-39 8.25,-37 8.25,-13.25 9.864,-11.636 C80.1@17.25,-11.636 17.386,-11.5 C79.1@18.5,-11.5 ; C79.1@18.75,-11.357 20.045,-11.357 V2.3@20.95,-10.452
  S2 w0.762: v1(-83.614,-38.853) v1(-79.864,-38.853) v1(-76.114,-38.853) -74.967,-40 v1(-64.5,-40) v1(-58,-40) ; v1(-57.75,-35.5) -47.415,-35.5 -46.536,-36.379 -28.129,-36.379 v1(-24.5,-32.75) v1(-23.5,-32.75) v1(-22.5,-32.75)
  S2 w1.27: v1(-67.25,-25.5) v1@-67.216,-25.5 ; v1(-66,-25.5) v1@-67.216,-25.5 ; v1(-64.5,-40) -64.5,-39.118 -67.216,-36.402 v1@-67.216,-25.5
VCCMCU3V3: C19.1 C81.1 C82.1 C93.1 C94.1 C95.1 C96.1 C97.1 C98.1 C99.1 C100.1 C101.1 C102.1 C103.1 C104.1 IC5.3 IC9.5 JP4.6 JP5.4 JP16.4 LED2.1 R6.2 R15.2 R17.2 R18.2 R19.2 R104.1 U1.1 U1.13 U1.19 U1.32 U1.48 U1.64 V2.2 | length 337.2
  TL w0.254: C96.1@17.864,-36.5 C96.1@17.872,-36.507 ; v1(18.982,-36.708) 18.984,-36.707 20.593,-36.707 21.8,-35.5 U1.13@23.5,-35.5 ; 21.5,-28.5 21.5,-29 22,-29.5 U1.1@23.5,-29.5 ; U1.64@25.25,-27.751 25.25,-25.864 25.434,-25.68 C98.1@25.5,-25.614 ; C99.1@25.5,-41.357 26.25,-40.607 U1.19@26.25,-38.75 ; U1.32@32.75,-38.75 32.75,-39.75 33,-40 34.75,-40 35.25,-40.5 35.25,-41.623 C100.1@35.25,-41.636 ; U1.48@34.5,-29.5 35.5,-29.5 36.5,-28.5 37.873,-28.5 C102.1@37.886,-28.5
  TL w0.508: IC9.5@-68.6,-30.55 -67.086,-30.55 R15.2@-67,-30.636 -67,-30.573 -66.873,-30.446 -66.809,-30.446 -66.364,-30 -64.25,-30 v1(-63,-31.25) ; v1(-55.5,-34.25) R17.2@-54.614,-34.25 ; v1(-51,-34.25) R18.2@-50.114,-34.25 ; v1(-46.5,-34.25) R19.2@-45.614,-34.25 ; v1(-6.414,-42.883) -6.414,-45.71 -6.116,-46.008 -5.697,-46.008 -5.507,-46.198 LED2.1@-5.507,-46.389 ; R104.1@3.75,-24.114 v1(5.114,-24.114) ; C96.1@17.864,-36.5 17.93,-36.566 17.93,-37.087 ; C94.1@17.864,-23.75 17.876,-23.75 18.003,-23.877 18.003,-25.111 C103.1@18.143,-25.25 v1(20.75,-25.25) ; C97.1@18.143,-38 17.93,-37.787 17.93,-37.087 ; v1(18.982,-36.708) 18.911,-36.708 18.532,-37.087 17.93,-37.087 ; 21.5,-28.5 21.5,-26 ; v1(23,-41.5) 23.058,-41.558 23.922,-41.558 C104.1@24,-41.636 24,-41.624 24.127,-41.497 25.36,-41.497 C99.1@25.5,-41.357 ; C98.1@25.434,-25.68 24.213,-25.68 C101.1@24,-25.893 21.607,-25.893 21.5,-26 ; JP16.4@28.21,-21.75 23,-21.75 20.75,-24 v1(20.75,-25.25) ; C100.1@35.25,-41.636 35.25,-41.623 35.377,-41.496 36.61,-41.496 C95.1@36.75,-41.357 36.835,-41.442 37.942,-41.442 v1(38,-41.5) ; v1(37.75,-25.75) 37.692,-25.808 37.692,-26.915 C93.1@37.607,-27 37.747,-27.139 37.747,-28.373 37.873,-28.5 C102.1@37.886,-28.5 ; v1(20.75,-25.25) 21.5,-26
  TL w0.762: v1(-16.959,-31.5) -16.959,-33.209 -17.885,-34.135 IC5.3@-17.885,-34.875 -17.885,-36.115 -15.636,-38.364 v1(-15.25,-38.364) C19.1@-13.75,-38.364 ; 23,-21.75 23.25,-21.5 v1(23.25,-19.25) v1(23.25,-18.25) V2.2@23.25,-16.548 ; v1(38,-41.5) 39,-41.5 39.765,-40.735 39.765,-39.628 R6.2@39.893,-39.5
  TL w1.016: V2.2@23.25,-16.548 23.25,-13.5 ; V2.2@23.25,-10.452 23.25,-13.5 ; C82.1@29.25,-13.364 23.386,-13.364 23.25,-13.5
  S2 w0.508: v1(-15.25,-38.364) -13.114,-40.5 -8.797,-40.5 v1(-6.414,-42.883) ; v1(38,-41.5) 53.25,-41.5 55.826,-41.5 57.341,-43.015 57.341,-44.221 JP4.6@57.37,-44.25
  S2 w0.762: v1(-63,-31.25) -63,-32.054 -60.804,-34.25 v1(-55.5,-34.25) v1(-51,-34.25) v1(-46.5,-34.25) -45.553,-35.197 -28.447,-35.197 -26.495,-33.245 -26.495,-30.331 -26.049,-29.885 -18.574,-29.885 v1(-16.959,-31.5) -9,-31.5 -7.75,-32.75 -7.75,-36.25 -6.285,-37.715 -4.267,-37.715 -3.25,-38.733 -3.25,-42.883 ; v1(-6.414,-42.883) -3.25,-42.883 ; v1(5.114,-24.114) 6.5,-24.114 ; v1(18.982,-36.708) 20.75,-36.708 ; v1(23,-41.5) 20.75,-39.25 20.75,-36.708 ; v1(23.25,-19.25) 23.25,-18.778 ; v1(23.25,-18.25) 23.25,-18.778 ; 53.25,-41.5 53.29,-41.46 53.29,-25.75 ; JP5.4@53.29,-20.5 53.29,-25.75 ; -3.25,-42.883 1.117,-42.883 3.5,-40.5 3.5,-32.5 6.5,-29.5 6.5,-24.114 ; 6.5,-24.114 15.886,-24.114 20.25,-19.75 ; 20.25,-19.75 21.222,-18.778 23.25,-18.778 ; 20.25,-19.75 22.25,-21.75 22.25,-22.196 ; 20.75,-36.708 22.25,-35.208 22.25,-22.196 ; 22.25,-22.196 22.696,-21.75 JP16.4@28.21,-21.75 30.46,-24 36,-24 v1(37.75,-25.75) 53.29,-25.75
VU_BUF: R40.1 U1.14 | length 7.7
  TL w0.254: R40.1@17.864,-39.5 18.75,-39.5 19.5,-39.5 19.75,-39.25 19.75,-38.125 21.874,-36 U1.14@23.5,-36
VV_BUF: R54.1 U1.15 | length 8.3
  TL w0.254: R54.1@17.864,-40.75 19.25,-40.75 20.344,-39.656 20.344,-38.106 21.949,-36.5 U1.15@23.5,-36.5
VW_BUF: R60.1 U1.16 | length 8.9
  TL w0.254: R60.1@17.864,-42 19.127,-42 21,-40.127 21,-38.024 22.024,-37 U1.16@23.5,-37
pads on no net: IC5.5 IC12.11 IC12.12 IC12.13 IC12.14 IC21.6 IC21.9 IC22.5 J1.0 J2.0 J3.0 JP6.1 JP6.2 JP8.1 JP11.0 JP12.0 JP13.0 JP14.0 JP15.0 U1.2 U1.28 U1.54 U1.55 U1.56 U1.57 USB1. USB1.A4B9 USB1.A8 USB1.B4A9 USB1.B8

## Polygon pours and split planes (outlines as drawn)
GND on TL "NONET_L01_P003" (solid, remove dead copper, shelved, pour order 3): -87,14 -87,37.5 -78,46.5 77.5,46.5 87,37 87,14
GND on TL "NONET_L01_P004" (solid, remove dead copper, shelved, pour order 4): 87.25,-48 87.5,-47.75 87.5,14 -86.5,14 -87,14.5 -87,-48
VCC120 on TL "NONET_L01_P000" (solid, remove dead copper, shelved, pour order 0): -45.5,39 3.5,39 71,39 71,51 64,58 -64.5,58 -76,46.5 -76,39
GND on TL "NONET_L01_P002" (solid, remove dead copper, shelved, pour order 2): 20,-5.5 36,-5.5 36,15.5 20,15.5
GND on TL "NONET_L01_P001" (solid, remove dead copper, shelved, pour order 1): -36,-5.5 -20,-5.5 -20,15.5 -36,15.5
GND on S1 "NONET_L02_P006" (solid, remove dead copper, shelved, pour order 6): -87,14 -87,37.5 -78,46.5 77.5,46.5 87,37 87,14
VCC120 on S1 "NONET_L02_P005" (solid, remove dead copper, shelved, pour order 5): -45.5,39 3.5,39 71,39 71,51 64,58 -64.5,58 -76,46.5 -76,39
GND on S2 "NONET_L03_P011" (solid, remove dead copper, shelved, pour order 11): 87.25,-48 87.5,-47.75 87.5,14 -86.5,14 -87,14.5 -87,-48
GND on S2 "NONET_L03_P010" (solid, remove dead copper, shelved, pour order 10): -87,14 -87,37.5 -78,46.5 77.5,46.5 87,37 87,14
VCC120 on S2 "NONET_L03_P009" (solid, remove dead copper, shelved, pour order 9): -45.5,39 3.5,39 71,39 71,51 64,58 -64.5,58 -76,46.5 -76,39
GND on BL "NONET_L04_P014" (solid, remove dead copper, shelved, pour order 14): 87.25,-48 87.5,-47.75 87.5,14 -86.5,14 -87,14.5 -87,-48
GND on BL "NONET_L04_P013" (solid, remove dead copper, shelved, pour order 13): -87,14 -87,37.5 -78,46.5 77.5,46.5 87,37 87,14
VCC120 on BL "NONET_L04_P012" (solid, remove dead copper, shelved, pour order 12): -45.5,39 3.5,39 71,39 71,51 64,58 -64.5,58 -76,46.5 -76,39

## Keep-outs
Keep-Out Layer:
  circle w0.013: c56,0 r7
  circle w0.013: c-56,0 r7
  circle w0.013: c0,0 r7
  lines w0.013: -87,-46.75 -85.75,-48 85.75,-48 87,-46.75 87,37 66,58 -66,58 -87,37 -87,-46.75

## Other copper
TL:
  rectangle net GND: -73.445,-1 -68.75,1
  rectangle net GND: -70.595,-1.016 -68.75,3.25
  pour cut-out: 74.6,-27 ccw(c79,-27) 79,-31.4 ccw(c79,-27) 83.4,-27 ccw(c79,-27) 79,-22.6 ccw(c79,-27)
  pour cut-out: -83.4,-27 ccw(c-79,-27) -79,-31.4 ccw(c-79,-27) -74.6,-27 ccw(c-79,-27) -79,-22.6 ccw(c-79,-27)
  region net VCC120: -85.75,36.75 -85.75,14 -79,14 -79,34.5 -75,38.5 -48,38.5 -44,42.5 -37.184,42.5 -37.184,36.316 -41.712,31.5 -41.712,29 -22.712,29 -22.712,31.5 -27,36 -27,42.5 -20.5,42.5 -17,39 3.5,39 3.5,46.861 1.5,46 -2.028,46.451 -6.5,50.013 -56.935,50.065 -61.5,45.5 -64.192,45.5 -66.639,46.861 -67.511,50.013 -67.285,52.215 -66.363,54.168 -62.969,55.742 -63,56.5 -66,56.5
  pour cut-out: 70.25,-48 85.75,-48 87,-46.75 87,-36.5 70.25,-36.5
  pour cut-out: -67.75,17.25 -67.75,13.5 -45.5,13.5 -45.25,13.75 -45.25,17.25
  pour cut-out: -68.75,16.5 -68.75,27 -49.25,27 -49.25,21.75 -47.25,21.75 -45.55,20.05 -45.55,16.75
  region net VCCDIG5: -64.171,-28.759 -66.965,-28.759 -66.965,-28.285 -68.365,-26.885 -68.365,-26.742 -69.635,-26.742 -70.322,-26.055 -73.508,-26.055 -73.698,-25.865 -73.698,-24.849 -73.456,-24.849 -72.492,-23.885 -72.492,-22.615 -71.222,-22.615 -69.892,-23.945 -67.869,-23.945 -67.5,-24.314 -67.5,-24.75 -65.75,-24.75 -64.171,-26.329
  region net VCC12: -68.103,-15.525 -68.103,-12.27 -68.115,-12.258 -69.385,-12.258 -69.385,-15.243 -69.103,-15.525
  region net VCC120: -78.335,9.15 -73.675,9.15 -72.325,10.5 -67.5,10.5 -67.5,12.75 -71.75,12.75 -72.5,12 -76.335,12 -76.685,12.35 -78.335,12.35 -79,13.015 -79,14 -80.5,14 -81.75,15.25 -81.75,10.75 -80.228,9.15
  region net GND: -38.424,38.5 -41.424,35.5 -41.924,36 -48.924,36 -43.424,41.5 -38.424,41.5
  region net VCC120: 71,39 71,32 60,32 60,25.5 85.5,25.5 85.5,36.5 70,52 67.5,52 67.5,49 64.5,46 63,46 63,39
  region net GND: -26,38.5 -23,35.5 -22.5,36 -15.5,36 -21,41.5 -26,41.5
S1:
  region net VCC120: 71,39 71,32 60,32 60,25.5 85.5,25.5 85.5,36.5 70,52 67.5,52 67.5,49 64.5,46 63,46 63,39
  region net VCC120: -85.75,36.75 -85.75,14 -79,14 -79,34.5 -75,38.5 -48,38.5 -44,42.5 -37.184,42.5 -37.184,36.315 -42,31.5 -42,28.5 -22.5,28.5 -22.5,31.5 -27,36 -27,42.5 -20.5,42.5 -17,39 3.5,39 3.5,46.861 1.5,46 -2.028,46.451 -6.5,50.013 -56.936,50.064 -61.5,45.5 -64.192,45.5 -66.639,46.861 -67.511,50.013 -67.285,52.215 -66.363,54.167 -62.969,55.741 -63,56.5 -66,56.5

## Silkscreen, mask and mechanical layers (free items; w line width, h text height)
Top Overlay:
  circle w0.254: c79,-27 r4.4
  lines w1: 48.5,29.75 52,29.75 ; 48.5,54.5 52,54.5 ; 50.25,52.75 50.25,56.25
  text "PHASE V" at -2.5,26.011 h2
  text "PHASE W" at -81,-4.239 h2
  text "PHASE U" at 76.75,-4.239 h2
  text "3V3" at 53.989,-17.498 h2 r90
  text "RST" at 56.239,-17.5 h2 r90
  text "GND" at 46.313,-17.653 h2 r90
  text "swC" at 48.853,-17.651 h2 r90
  text "swD" at 51.393,-17.651 h2 r90
  text "GND" at 36.313,-19.653 h2 r90
  text "3V3" at 28.739,-19.748 h2 r90
  text "Txd" at 33.739,-19.748 h2 r90
  text "Rxd" at 31.239,-19.75 h2 r90
  text "GND" at -64,-35.989 h2
  text "5V" at -60.75,-35.989 h2
  text "SRV" at -58.498,-35.989 h2
  text "MOSI" at 55.489,-41 h2 r90
  text "3V3" at 57.989,-40.998 h2 r90
  text "GND" at 45.239,-41.25 h2 r90
  text "NSS" at 47.739,-41.25 h2 r90
  text "SCK" at 50.239,-41.248 h2 r90
  text "MISO" at 52.739,-41.25 h2 r90
  text "JLCJLCJLCJLC" at 76.5,-43.488 h1.8
  text "KS75600_MAIN" at 70.752,-45.5 h1.8
  text "V1.1" at 80.502,-47.5 h1.8
Bottom Overlay:
  text "5V" at -82.75,-46.989 h2
  text "A" at -80.25,-47 h3
  text "B" at -77.75,-47 h3
  text "Z" at -75.25,-47 h3
  text "NTC" at -71.91,-46.989 h2
  text "GND" at -69.37,-46.989 h2
  text "PWM" at -66.83,-47 h2
  text "REV" at -52.28,-47 h2
  text "CC" at -49.74,-46.989 h2
  text "SRV" at -46.752,-46.989 h2
  text "GND" at -44.25,-46.989 h2
  text "GND" at -41.75,-46.989 h2
  text "THR" at -39.002,-47 h2
  text "BRK" at -36.5,-47 h2
  text "5V" at -34.5,-46.989 h2
  text "CANH" at -22.5,-47.239 h2
  text "G" at -21,-47.233 h3
  text "CANL" at -17.42,-47.239 h2
Top Solder:
  text "CYAN" at 70.755,-41.75 h5.4
  text "D231030" at 70.752,-47.5 h1.8
Mechanical 1:
  circle w0.013: c0,0 r7
  circle w0.013: c-56,0 r7
  circle w0.013: c56,0 r7
  lines w0.013: -87,-46.75 -85.75,-48 85.75,-48 87,-46.75 87,37 66,58 -66,58 -87,37 -87,-46.75
Mechanical 2:
  drawing of 181 lines, arcs and shapes, not listed

## Text inside footprints (layer, text, board x,y; h text height)
J1: Top Overlay "M" at 57.45,8.4 h1.5; Top Overlay "+" at 57.45,11.4 h2; Top Overlay "G" at 57.45,10 h1.5
J2: Top Overlay "M" at 1.45,8.4 h1.5; Top Overlay "+" at 1.45,11.4 h2; Top Overlay "G" at 1.45,10 h1.5
J3: Top Overlay "M" at -54.55,8.4 h1.5; Top Overlay "+" at -54.55,11.4 h2; Top Overlay "G" at -54.55,10 h1.5